# Altium PCB HealthSensors.PcbDoc (continued)
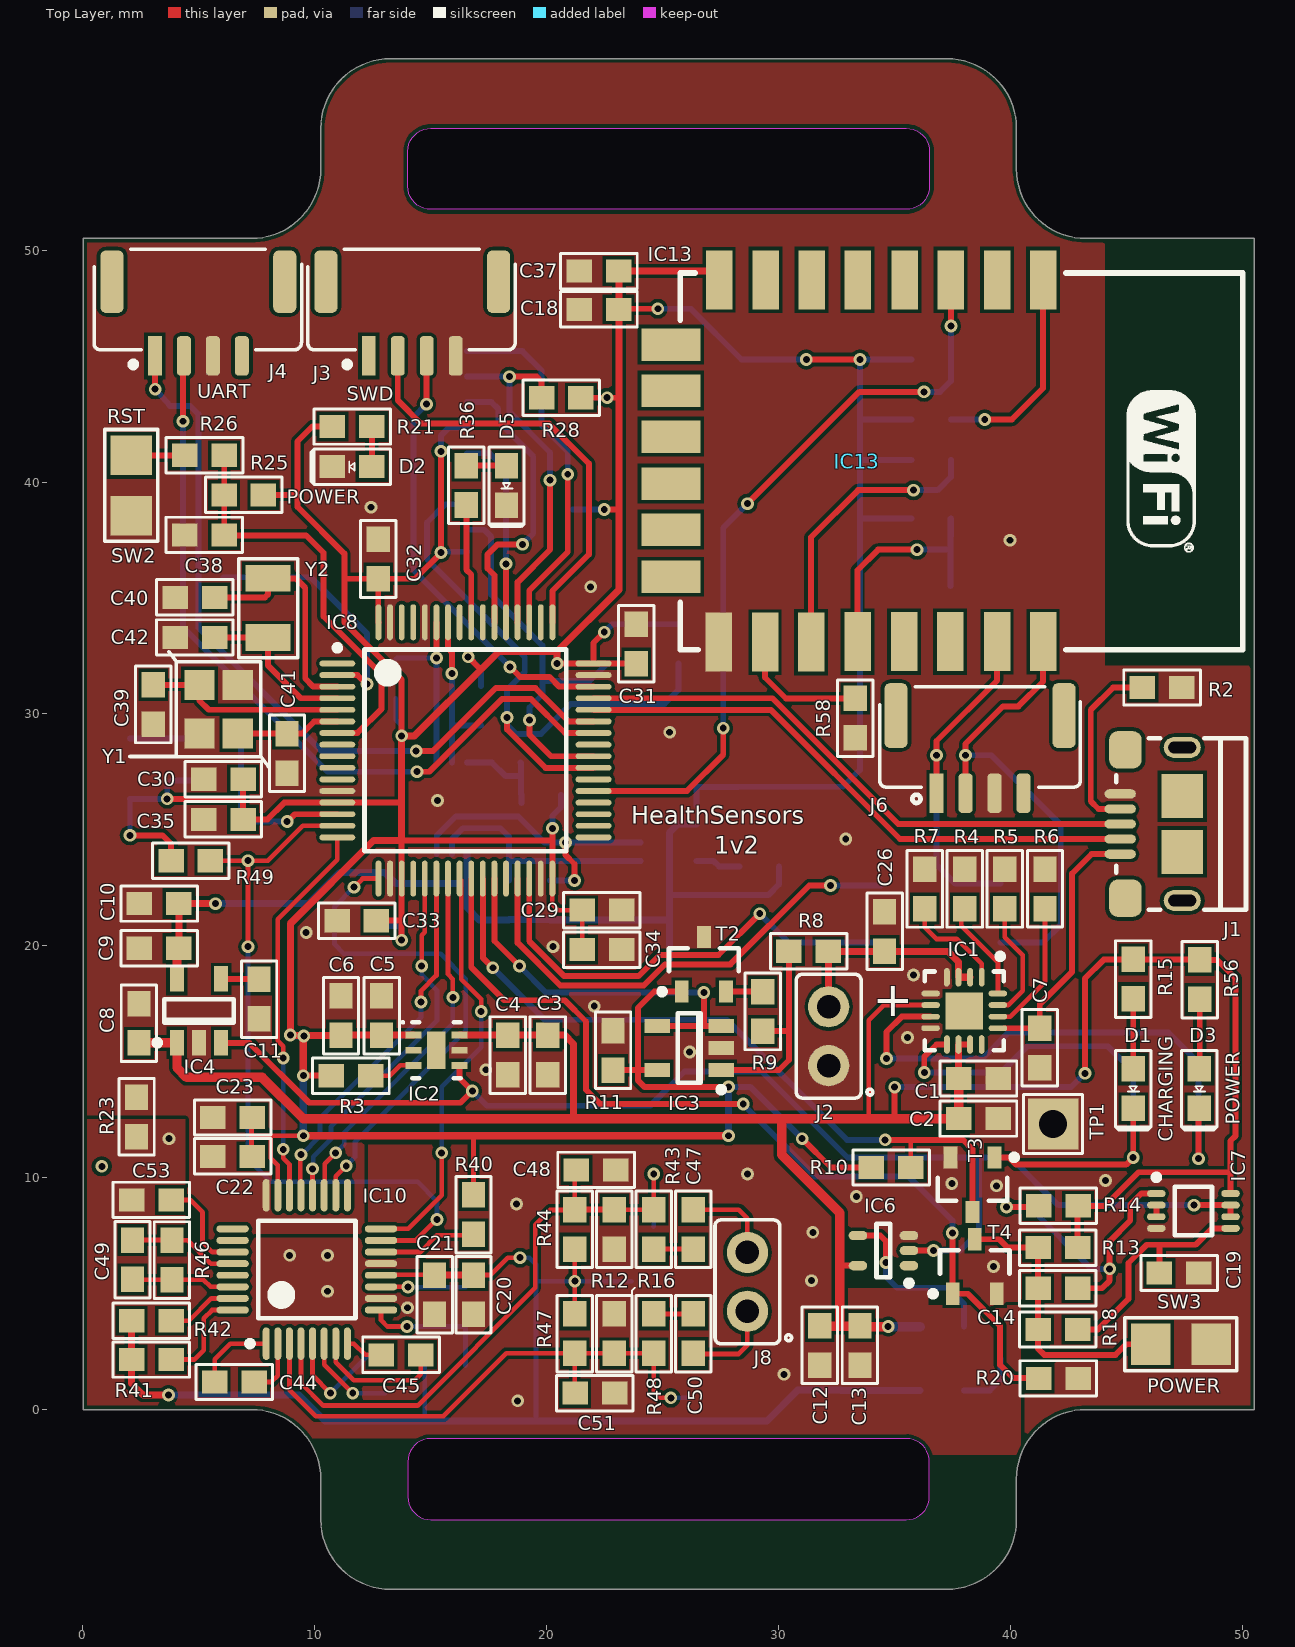
[diagram p0: Top Layer view]
## Nets (pads, with @x,y where several pads share a name; then routed paths per layer and width w, separated by ;. In a path a pad name is that pad's centre, name@x,y a point inside that pad or via, vN(x,y) a via of type N, cw(c..) or ccw(c..) an arc to the next point about the centre after c; other vN are vias at no path point)
AGND: C12.1 C13.1 C15.1 C16.1 C17.1 C20.1 C21.1 C48.1 C51.1 C52.1 C53.1 C54.1 C55.1 D8.1 D9.1 IC5.2 IC10.10 IC10.13 R12.2 R16.2 R23.1
  other v1: 18.745,0.381 30.226,1.524 13.995,4.394 10.541,5.105 31.42,5.563 8.915,6.655 10.541,6.655 31.471,7.645 18.694,8.865 28.651,10.16 3.708,11.684
AVCC: C16.2 C17.2 C20.2 C21.2 D8.2 D9.2 IC5.5 IC10.12 R1.1 R38.1 R41.2 R42.2 R44.1 R47.1 | length 61.7
  Top Layer w0.203: IC10.12 12.869,5.812 C21.2@15.256,5.812 ; C20.2 17.563,5.803 18.313,6.553 v1(18.847,6.553) ; R47.1 v1(21.209,5.537) R44.1
  Top Layer w0.305: R42.2 R41.2 2.096,1.13 2.591,0.635 v1(3.683,0.635) ; C21.2 C20.2
  Bottom Layer w0.203: 14.732,-0.483 R1.1 R38.1 ; v1(18.847,6.553) 19.253,6.553 19.533,6.274 19.533,5.537 ; 19.558,-0.483 19.533,-0.457 19.533,5.537 ; D8.2 v1(21.209,5.537) 19.533,5.537 ; C17.2 C17.2@32.685,0.831
  Bottom Layer w0.305: v1(3.683,0.635) 9.322,0.635 10.439,-0.483 14.732,-0.483 19.558,-0.483 29.489,-0.483 30.824,0.852 C17.2 ; C17.2@32.685,0.831 IC5.5
BAT_CHG: IC8.26 R10.1 T3.3 | length 31.8
  Top Layer w0.203: R10.1 35.699,11.619 35.712,11.633
  Top Layer w0.254: IC8.26 17.242,19.486 v1(17.673,19.055) ; v1(34.595,11.633) 35.712,11.633 37.948,11.633 38.354,11.227 T3.3
  Bottom Layer w0.254: v1(17.673,19.055) 19.914,16.815 27.762,16.815 32.944,11.633 v1(34.595,11.633)
BAT_LVL: IC3.3 IC3.4 IC8.27 | length 16.8
  Top Layer w0.254: IC8.27 17.742,20.209 v1(18.821,19.13) ; IC3.4 26.772,16.549 ; v1(26.772,17.983) 26.772,16.549 ; IC3.3 26.772,16.549
  Bottom Layer w0.254: v1(18.821,19.13) 19.968,17.983 v1(26.772,17.983)
DVCC: C9.2 C10.2 C27.2 C28.2 IC4.5 IC9.11 IC11.2 R51.2 R52.2 R53.2 | length 40.5
  Top Layer w0.254: C9.2@4.054,19.811 C9.2 ; C10.2@4.134,21.819 C10.2
  Top Layer w0.305: C9.2 4.134,21.819 v1(5.715,21.819)
  Top Layer w0.381: IC4.5 C9.2@4.054,19.811
  Bottom Layer w0.254: R53.2 R53.2@18.376,21.133 ; C28.2@25.275,21.121 C28.2 ; 25.286,22.2 29.566,22.2 30.009,22.643 R51.2
  Bottom Layer w0.305: v1(5.715,21.819) 9.728,21.819 11.074,23.165 13.005,23.165 13.487,22.682 16.535,22.682 ; IC11.2 16.556,21.646 17.081,21.121 R53.2 ; R53.2@18.376,21.133 R52.2@20.505,21.133 ; R52.2 C28.2@25.275,21.121 ; C27.2 C28.2 25.286,22.2 25.286,24.88 25.66,25.254 IC9.11
GND: C1.1 C2.1 C3.1 C4.1 C5.1 C6.1 C7.1 C8.1 C9.1 C10.1 C11.1 C18.1 C19.1 C22.1 C23.1 C24.1 C25.1 C26.1 C27.1 C28.1 C29.1 C30.1 C31.1 C32.1 C33.1 C34.1 C35.1 C37.1 C38.1 C39.1 C40.1 C41.1 C42.1 C43.1 C59.1 D2.2 D5.2 IC1.4 IC1.5 IC1.8 IC2.5 IC3.2 IC4.2 IC6.3 IC7.4 IC8.12 IC8.18 IC8.31 IC8.47 IC8.60 IC8.63 IC9.4 IC9.12 IC10.24 IC11.1 IC13.15 J1.5 J2.1 J3.4 J4.3 J5.6 J5.S J6.3 J7.1 R2.1 R4.1 R5.1 R6.1 R7.1 R11.1 R20.1 R23.2 R27.1 R58.1 SW2.2 SW3.2 T2.3 T3.2 T4.2 TP1.1 Y1.2 Y1.4
  other v1: 39.268,6.172 33.35,9.195 39.395,9.652 37.465,9.754 44.094,9.881 17.374,14.656 26.162,15.418 35.56,16.053 22.047,17.399 35.814,18.745 20.269,19.964 9.627,20.574 32.893,24.613 15.291,26.264 25.298,29.21 21.895,35.484 39.98,37.49 12.421,38.913
NetC1_2: C1.2 C2.2 C3.2 C4.2 C8.2 C12.2 C13.2 IC1.6 IC1.10 IC1.11 IC2.6 IC4.1 IC5.1 IC6.5 IC7.8 R13.2 R14.2 R15.1 R56.2 | length 111.1
  Top Layer w0.203: 14.254,12.551 14.274,12.571 ; 33.884,12.551 33.884,16.789 34.54,17.446 IC1.6
  Top Layer w0.254: IC4.1@4.045,15.812 IC4.1 ; 13.216,12.483 13.284,12.551 ; 28.401,12.53 28.423,12.551 ; 32.639,6.198 32.649,6.208 IC6.5 ; C13.2@33.668,3.593 C13.2@33.68,3.581 ; v1(35.001,13.907) 35.001,12.577 35.027,12.551 ; C1.2@37.754,14.29 C1.2 ; IC1.10 IC1.11 ; R13.2 42.887,8.763 R14.2 44.069,8.788 45.517,10.236 49.487,10.236 ; v1(43.205,14.503) 43.205,18.593 44.018,19.406 48.145,19.406 R56.2 48.908,19.392 49.708,18.593 49.708,11.811 49.487,11.59 49.487,10.236 ; IC7.8 49.487,10.236
  Top Layer w0.305: IC2.6 20.784,16.148 21.158,15.773 21.158,12.551 ; C1.2@37.754,14.29 IC1.10
  Top Layer w0.406: C8.2 IC4.1@4.045,15.812 ; IC4.1 4.054,14.742 4.47,14.326 7.722,14.326 9.496,12.551 13.284,12.551 14.254,12.551 21.158,12.551 28.423,12.551 30.124,12.551 ; C12.2@31.826,3.593 C13.2@33.668,3.593 ; 32.639,3.607 32.639,6.198 32.639,8.484 30.124,10.998 30.124,12.551 ; C13.2@33.68,3.581 v1(34.722,3.581) ; 33.833,12.551 30.124,12.551 ; 33.884,12.551 35.027,12.551 C2.2 C1.2
  Bottom Layer w0.254: v1(35.001,13.907) 42.609,13.907 v1(43.205,14.503)
  Bottom Layer w0.406: v1(34.722,3.581) IC5.1
NetC7_2: C7.2 IC1.13 J1.1 | length 11.2
  Top Layer w0.254: IC1.13@39.722,16.447 41.255,16.447 C7.2 41.257,17.479 42.654,18.876 42.654,23.118 43.49,23.954 J1.1
NetC11_2: C11.2 IC4.4 | length 1.6
  Top Layer w0.254: IC4.4 7.578,18.571 C11.2
NetC14_1: C14.1 R13.1 R18.2 SW3.1 T4.3 | length 12.4
  Top Layer w0.254: T4.3 39.516,7.347 39.878,6.985 R13.1 C14.1 R18.2 41.187,2.628 41.453,2.362 44.526,2.362 44.983,2.819 SW3.1
NetC14_2: C14.2 IC7.1 R14.1 | length 13.4
  Top Layer w0.254: v1(39.827,8.738) 41.162,8.738 R14.1 ; C14.2 43.942,5.232 44.272,5.563 v1(44.272,6.071) 44.272,7.264 45.161,8.153 45.161,8.839 45.64,9.318 IC7.1
  Bottom Layer w0.254: v1(39.827,8.738) 40.818,8.738 43.485,6.071 v1(44.272,6.071)
NetC15_2: C15.2 IC5.4 | length 2.7
  Bottom Layer w0.254: IC5.4 39.109,0.831 39.573,1.295 C15.2
NetC19_2: C19.2 IC7.5 R18.1 | length 10.5
  Top Layer w0.254: R18.1 43.764,3.454 45.085,4.775 45.085,6.325 45.872,7.112 46.419,7.112 ; C19.2 46.419,7.112 ; IC7.5 48.686,7.818 47.981,7.112 46.419,7.112
NetC26_2: C26.2 IC1.2 IC1.3 J2.2 R8.2 | length 9.4
  Top Layer w0.305: R8.2 R8.2@32.156,19.765 ; J2.2 R8.2@32.156,19.765 ; IC1.2 IC1.3 37.754,19.306 37.295,19.765 R8.2@32.156,19.765
NetC36_1: C36.1 IC8.14 R24.1 R27.2 | length 7.9
  Top Layer w0.254: v1(8.806,25.357) 9.126,25.676 IC8.14
  Bottom Layer w0.254: R24.1 C36.1 6.815,25.382 R27.2 v1(8.806,25.357)
NetC38_2: C38.2 IC8.7 R25.1 R26.1 | length 18.2
  Top Layer w0.254: R26.1 6.09,37.697 9.623,37.697 10.371,36.949 10.371,34.206 12.878,31.699 12.878,30.222 11.832,29.176 IC8.7
NetC39_2: C39.2 IC8.5 Y1.1 | length 8.8
  Top Layer w0.254: C39.2 3.034,31.254 Y1.1 5.024,30.573 5.418,30.179 IC8.5@10.967,30.179
NetC40_2: C40.2 IC8.3 Y2.2 | length 10.3
  Top Layer w0.254: C40.2 7.849,35.027 7.983,35.161 Y2.2 9.172,35.848 9.583,35.437 9.583,31.525 9.932,31.176 IC8.3
NetC41_2: C41.2 IC8.6 Y1.3 | length 4.5
  Top Layer w0.254: Y1.3 C41.2@8.796,29.154 ; C41.2 9.443,29.15 9.97,29.676 IC8.6
NetC42_2: C42.2 IC8.4 Y2.1 | length 7.1
  Top Layer w0.254: C42.2 7.982,33.299 Y2.1 7.983,32.084 9.391,30.676 IC8.4
NetC43_2: C43.2 IC8.15 IC10.15 R49.1 | length 33.1
  Top Layer w0.203: R49.1 v1(7.112,23.673) ; v1(7.112,19.964) v1(7.112,23.673) ; IC8.15 9.479,25.176 7.976,23.673 v1(7.112,23.673) ; IC10.15 14.356,7.295 v1(15.265,8.204)
  Bottom Layer w0.203: C43.2 v1(7.112,23.673) ; v1(7.112,19.964) 7.112,10.82 8.103,9.83 14.427,9.83 15.265,8.992 v1(15.265,8.204)
NetC44_1: C44.1 IC10.1 | length 3.5
  Top Layer w0.203: C44.1 5.678,2.173 6.35,2.845 IC10.1
NetC44_2: C44.2 IC10.2 | length 2.5
  Top Layer w0.203: C44.2 8.128,1.194 8.402,1.468 IC10.2
NetC45_1: C45.1 IC10.7 | length 5.7
  Top Layer w0.203: IC10.7 10.902,2.052 11.684,1.27 14.3,1.27 14.566,1.536 C45.1
NetC45_2: C45.2 IC10.8 | length 1.7
  Top Layer w0.203: IC10.8 11.684,2.845 12.167,2.362 C45.2
NetC47_1: C47.1 J8.2 | length 4
  Top Layer w0.203: C47.1 28.284,8.622 28.651,8.255 J8.2
NetC47_2: C47.2 R43.1 | length 1.7
  Top Layer w0.203: R43.1 C47.2
NetC48_2: C48.2 D8.3 IC10.4 R12.1 R43.2 R44.2 | length 28.1
  Top Layer w0.203: IC10.4 9.402,1.139 10.363,0.178 14.427,0.178 19.507,5.258 19.507,7.976 20.142,8.611 R44.2@21.311,8.611 ; R44.2 21.209,10.274 C48.2 ; R12.1 R43.2 v1(24.613,10.16)
  Top Layer w0.254: R44.2 R12.1
  Bottom Layer w0.203: D8.3 24.613,7.897 v1(24.613,10.16)
NetC49_1: C49.1 IC10.28 R46.1 | length 4.7
  Top Layer w0.203: C49.1 3.823,7.313 R46.1 4.51,7.301 5.516,6.295 IC10.28
NetC49_2: C49.2 IC10.30 R46.2 | length 4.5
  Top Layer w0.203: C49.2 2.146,5.601 R46.2 5.194,5.601 5.5,5.295 IC10.30
NetC50_1: C50.1 J8.1 | length 4
  Top Layer w0.203: C50.1@26.314,2.401 28.284,2.401 28.651,2.769 J8.1
NetC50_2: C50.2 R48.1 | length 1.7
  Top Layer w0.203: R48.1 C50.2
NetC51_2: C51.2 D9.3 IC10.3 R16.1 R47.2 R48.2 | length 24.3
  Top Layer w0.203: IC10.3 8.902,0.852 10.033,-0.279 15.545,-0.279 18.251,2.427 R47.2 ; C51.2 21.209,0.725 R47.2 ; v1(25.349,0.508) 24.892,0.508 24.613,0.787 R48.2 R47.2
  Bottom Layer w0.203: v1(25.349,0.508) 26.13,0.508 D9.3@26.155,0.533
NetC52_2: C52.2 IC10.11 | length 3.7
  Top Layer w0.203: IC10.11 14.009,5.295 v1(14.021,5.283)
  Bottom Layer w0.203: v1(14.021,5.283) C52.2
NetC53_2: C53.2 IC10.27 | length 4.3
  Top Layer w0.203: C53.2 4.623,9.042 5.156,8.509 5.156,7.214 5.575,6.795 IC10.27
NetC54_2: C54.2 C55.2 IC10.9 | length 5.9
  Top Layer w0.203: IC10.9 12.852,3.861 13.132,3.581 v1(13.97,3.581)
  Bottom Layer w0.203: v1(13.97,3.581) C54.2 C55.2
NetC59_2: C59.2 IC11.7 IC11.8 R32.1 | length 4.3
  Bottom Layer w0.254: IC11.7 IC11.8 17.634,27.908 18.212,27.33 18.886,27.33 ; C59.2@18.866,27.908 18.886,27.889 18.886,27.33 ; R32.1@18.911,26.162 R32.1 18.886,26.543 18.886,27.33
NetD1_1: D1.1 R15.2 | length 3
  Top Layer w0.254: D1.1 R15.2
NetD1_2: D1.2 IC1.9 T3.1 | length 23.9
  Top Layer w0.254: v1(36.279,14.533) 36.279,15.222 36.802,15.746 IC1.9 ; T3.1 39.922,10.878 40.234,10.566 44.983,10.566 v1(45.288,10.871) D1.2
  Bottom Layer w0.254: v1(36.279,14.533) 39.577,14.533 40.716,15.672 44.196,15.672 45.288,14.58 v1(45.288,10.871)
NetD2_1: D2.1 R21.1 | length 1.7
  Top Layer w0.254: D2.1 R21.1
NetD3_1: D3.1 R56.1 | length 3
  Top Layer w0.254: D3.1@48.133,14.515 D3.1@48.158,14.54 ; D3.1 48.158,14.718 R56.1
NetD3_2: D3.2 IC1.7 | length 23.9
  Top Layer w0.254: v1(34.646,15.138) 34.646,16.281 35.31,16.946 IC1.7 ; v1(48.108,10.82) 48.108,12.79 D3.2@48.133,12.815
  Bottom Layer w0.254: v1(34.646,15.138) 38.786,15.138 39.903,16.256 46.812,16.256 48.108,14.961 v1(48.108,10.82)
NetD5_1: D5.1 R36.1 | length 1.7
  Top Layer w0.254: R36.1 18.255,40.71 D5.1
NetIC1_1: IC1.1 R7.2 | length 4.5
  Top Layer w0.203: R7.2 36.297,20.803 36.801,20.298 37.676,20.298 38.754,19.22 IC1.1
NetIC1_14: IC1.14 R6.2 | length 5.8
  Top Layer w0.203: IC1.14 39.983,16.946 41.486,18.448 R6.2
NetIC1_15: IC1.15 R5.2 | length 5.2
  Top Layer w0.203: IC1.15 39.903,17.446 40.521,18.063 40.521,19.601 39.751,20.371 R5.2
NetIC1_16: IC1.16 R4.2 | length 4.3
  Top Layer w0.203: R4.2@37.879,21.607 37.879,20.857 39.454,19.282 IC1.16
NetIC2_3: IC2.3 R3.1 | length 2
  Top Layer w0.203: R3.1 13.233,14.402 13.679,14.848 IC2.3
NetIC2_4: IC2.4 IC4.3 IC6.2 IC7.6 IC7.7 | length 56.5
  Top Layer w0.254: IC4.3 5.944,15.811 7.176,15.811 9.754,13.233 16.281,13.233 v1(16.789,13.741) 16.238,14.293 IC2.4 ; IC6.2 v1(36.678,6.858) ; v1(47.908,8.818) IC7.7 IC7.6
  Bottom Layer w0.254: v1(16.789,13.741) 17.424,13.106 24.464,13.106 25.937,14.58 29.261,14.58 32.965,10.875 38.633,10.875 ; v1(36.678,6.858) 37.821,6.858 38.633,7.671 38.633,10.875 ; v1(47.908,8.818) 42.059,8.818 40.001,10.875 38.633,10.875
NetIC3_1: IC3.1 R8.1 R9.2 | length 8.9
  Top Layer w0.254: IC3.1 30.016,14.649 30.443,15.076 30.443,16.32 ; R9.2 30.443,16.32 ; R8.1 30.443,16.32
NetIC5_3: IC5.3 IC6.4 | length 7.7
  Top Layer w0.254: IC6.4 34.381,7.508 34.62,7.269 v1(34.62,6.35)
  Bottom Layer w0.254: v1(34.62,6.35) 34.62,5.74 35.103,5.258 37.287,5.258 37.998,4.547 IC5.3
NetIC7_2: IC7.2 IC7.3 | length 0.5
  Top Layer w0.254: IC7.3 IC7.2
NetIC8_2: IC8.2 J5.10 | length 10.8
  Top Layer w0.254: IC8.2 11.834,31.676 12.217,31.293 v1(12.243,31.293)
  Bottom Layer w0.254: J5.10 9.827,35.893 12.243,33.477 v1(12.243,31.293)
NetIC8_16: IC8.16 IC10.22 | length 16.7
  Top Layer w0.203: v1(8.636,11.227) 8.636,10.846 8.902,10.58 IC10.22 ; v1(8.636,15.164) 8.636,15.672 8.401,15.906 8.401,21.152 10.967,23.718 IC8.16
  Bottom Layer w0.203: v1(8.636,11.227) v1(8.636,15.164)
NetIC8_17: IC8.17 IC10.18 R39.1 | length 22
  Top Layer w0.203: IC10.18 10.902,10.064 v1(11.354,10.516) ; v1(11.684,22.53) 12.056,22.901 IC8.17
  Bottom Layer w0.203: v1(11.354,10.516) 11.735,10.897 11.735,11.557 16.51,16.332 16.51,18.567 15.418,19.66 11.252,19.66 10.848,20.064 R39.1 10.848,21.694 v1(11.684,22.53)
NetIC8_21: IC8.21 IC10.20 | length 16.2
  Top Layer w0.203: IC10.20 v1(9.902,10.385) ; v1(14.605,19.126) 14.605,20.447 14.742,20.584 IC8.21
  Bottom Layer w0.203: v1(9.902,10.385) 9.931,10.414 9.931,10.896 10.693,11.659 10.693,12.192 15.265,16.764 15.265,18.085 14.605,18.745 v1(14.605,19.126)
NetIC8_22: IC8.22 IC10.21 | length 16.1
  Top Layer w0.203: IC10.21 9.373,9.274 9.373,10.965 v1(9.402,10.994) ; v1(14.58,17.577) 14.58,18.059 15.242,18.722 IC8.22
  Bottom Layer w0.203: v1(9.402,10.994) 9.431,10.994 10.219,11.782 10.219,12.555 14.58,16.916 v1(14.58,17.577)
NetIC8_23: IC8.23 IC10.19 | length 16
  Top Layer w0.203: IC10.19 10.431,9.274 10.431,10.604 10.428,10.606 v1(10.897,11.074) ; IC8.23 15.742,18.776 15.951,18.567 v1(15.951,17.78)
  Bottom Layer w0.203: v1(10.897,11.074) 11.265,11.443 11.265,11.951 15.951,16.637 v1(15.951,17.78)
NetIC8_24: IC8.24 IC10.16 | length 18
  Top Layer w0.203: IC10.16 14.018,7.795 15.469,9.246 v1(15.469,11.074) ; IC8.24 16.307,22.837 16.307,18.567 17.17,17.704 v1(17.17,17.17)
  Bottom Layer w0.203: v1(15.469,11.074) 15.469,13.919 17.17,15.621 v1(17.17,17.17)
NetIC8_29: IC8.29 J9.3 | length 21
  Top Layer w0.254: IC8.29 18.742,20.128 20.582,18.288 24.181,18.288 25.095,19.202 27.915,19.202 31.318,22.606 v1(32.233,22.606)
  Bottom Layer w0.254: v1(32.233,22.606) J9.3@34.417,22.606
NetIC8_30: IC8.30 J9.1 | length 20.2
  Top Layer w0.254: IC8.30 19.242,20.203 20.751,18.694 23.952,18.694 24.867,19.609 27.407,19.609 v1(29.185,21.387)
  Bottom Layer w0.254: v1(29.185,21.387) 30.429,20.142 J9.1@34.493,20.142
NetIC8_37: IC8.37 IC13.3 R22.1 | length 32.8
  Top Layer w0.254: IC8.37 26.041,26.676 27.61,28.245 v1(27.61,29.388) ; v1(28.651,39.065) 33.477,43.891 v1(36.271,43.891) ; IC13.3 37.426,48.706 v1(37.426,46.724)
  Bottom Layer w0.254: v1(27.61,29.388) 27.61,38.024 v1(28.651,39.065) ; v1(36.271,43.891) 36.957,43.891 37.426,44.36 R22.1 v1(37.426,46.724)
NetIC8_39: IC8.39 J5.7 R31.2 | length 27.2
  Top Layer w0.254: v1(18.288,29.845) 18.288,29.337 19.949,27.676 IC8.39
  Bottom Layer w0.254: J5.7 15.625,39.043 14.838,38.257 14.838,36.673 19.05,32.461 19.05,31.809 18.288,31.047 v1(18.288,29.845) 18.288,29.54 18.69,29.138 19.744,29.138 21.035,30.429 25.07,30.429 25.679,31.039 R31.2
NetIC8_40: IC8.40 J5.8 R30.2 | length 18.3
  Top Layer w0.254: v1(19.253,29.743) 19.253,29.108 20.185,28.176 IC8.40
  Bottom Layer w0.254: J5.8 17.302,37.943 17.602,37.643 17.602,35.154 19.812,32.944 19.812,31.42 ; v1(19.253,29.743) 19.253,30.277 19.812,30.836 19.812,31.42 ; R30.2 22.594,32.17 21.844,31.42 19.812,31.42
NetIC8_42: IC8.42 J4.2 | length 33.9
  Top Layer w0.254: J4.2@4.311,45.441 4.318,45.434 v1(4.318,42.621) ; v1(14.402,27.508) 14.935,27.508 18.063,30.636 19.326,30.636 20.785,29.176 IC8.42
  Bottom Layer w0.254: v1(4.318,42.621) 4.318,33.731 10.541,27.508 v1(14.402,27.508)
NetIC8_43: IC8.43 J4.1 | length 34
  Top Layer w0.254: v1(3.112,44.005) J4.1@3.112,45.466 ; v1(14.369,28.397) 15.088,28.397 17.805,31.115 19.507,31.115 20.946,29.676 IC8.43
  Bottom Layer w0.254: v1(3.112,44.005) 3.759,43.282 4.623,43.282 4.978,42.926 4.978,33.717 10.299,28.397 v1(14.369,28.397)
NetIC8_46: IC8.46 J3.3 | length 19.3
  Top Layer w0.254: v1(14.808,43.358) 14.808,45.425 J3.3 ; v1(18.415,32.029) 18.847,31.598 20.117,31.598 20.538,31.176 IC8.46
  Bottom Layer w0.254: v1(14.808,43.358) 14.249,42.799 14.249,36.195 v1(18.415,32.029)
NetIC8_49: IC8.49 J3.2 | length 18.8
  Top Layer w0.254: J3.2 13.574,43.526 14.58,42.52 20.091,42.52 21.819,40.792 21.819,36.881 20.242,35.304 IC8.49
NetIC8_51: IC8.51 J5.1 R29.2 | length 15.6
  Top Layer w0.254: IC8.51 19.242,35.32 20.904,36.982 v1(20.904,40.335)
  Bottom Layer w0.254: J5.1 18.949,45.643 19.775,44.818 R29.2 19.775,42.455 20.904,41.326 v1(20.904,40.335)
NetIC8_52: IC8.52 J5.2 R28.2 | length 15.9
  Top Layer w0.254: v1(18.39,44.543) 19.566,44.543 19.775,44.335 R28.2 ; IC8.52 18.742,35.684 20.142,37.084 v1(20.142,40.081)
  Bottom Layer w0.254: J5.2 v1(18.39,44.543) 18.39,43.028 20.142,41.275 v1(20.142,40.081)
NetIC8_53: IC8.53 J5.5 | length 8.6
  Top Layer w0.254: v1(18.237,36.474) 18.237,33.956 IC8.53
  Bottom Layer w0.254: J5.5 17.532,41.243 18.237,40.538 v1(18.237,36.474)
NetIC8_54: IC8.54 J5.3 R33.2 | length 12.9
  Top Layer w0.254: IC8.54 17.742,35.979 17.45,36.271 17.45,36.881 17.882,37.313 v1(18.948,37.313)
  Bottom Layer w0.254: J5.3 17.618,43.443 17.907,43.155 17.907,42.621 19.419,41.109 R33.2 19.419,37.783 v1(18.948,37.313)
NetIC8_56: IC8.56 R36.2 | length 5.1
  Top Layer w0.254: R36.2 16.532,36.224 16.742,36.014 IC8.56
NetIC8_58: IC8.58 IC11.6 R54.1 | length 7.4
  Top Layer w0.254: IC8.58 15.742,32.823 15.906,32.659 v1(15.906,31.745)
  Bottom Layer w0.254: IC11.6 15.906,29.515 ; v1(15.906,31.745) 15.906,29.515 ; R54.1 15.917,29.503 15.906,29.515
NetIC8_59: IC8.59 IC11.5 R35.1 | length 7.8
  Top Layer w0.254: v1(15.24,32.41) 15.24,33.949 IC8.59
  Bottom Layer w0.203: R35.1 13.527,32.41 v1(15.24,32.41) ; IC11.5@15.24,27.924 IC11.5
  Bottom Layer w0.254: IC11.5@15.24,27.924 v1(15.24,32.41)
NetIC9_2: IC9.2 IC11.3 R53.1 | length 11
  Bottom Layer w0.254: IC11.3 15.906,24.592 16.383,25.07 18.009,25.07 18.364,24.714 18.364,23.698 ; R53.1 18.364,23.698 ; IC9.2 18.408,23.654 18.364,23.698
NetIC9_3: IC9.3 IC11.4 R52.1 | length 13.3
  Top Layer w0.254: v1(20.803,24.46) 20.803,23.927 21.196,23.533 v1(21.196,22.822)
  Bottom Layer w0.254: IC11.4 15.256,24.755 16.078,25.578 18.771,25.578 19.894,24.454 v1@20.828,24.454 ; R52.1 20.143,22.822 v1(21.196,22.822) ; v1(20.803,24.46) 20.822,24.46 v1@20.828,24.454 ; IC9.3 v1@20.828,24.454
NetIC9_13: IC9.13 R51.1 | length 2
  Bottom Layer w0.254: IC9.13 27.197,23.654 27.432,23.419 R51.1
NetIC10_5: IC10.5 R38.2 | length 5.5
  Top Layer w0.203: IC10.5 9.902,1.477 v1(10.668,0.711)
  Bottom Layer w0.203: v1(10.668,0.711) 12.319,2.362 R38.2 R38.2@13.069,2.362
NetIC10_6: IC10.6 R1.2 | length 4
  Top Layer w0.203: IC10.6 10.402,1.942 v1(11.633,0.711)
  Bottom Layer w0.203: v1(11.633,0.711) R1.2
NetIC10_14: IC10.14 R40.1 | length 4.3
  Top Layer w0.203: IC10.14 14.542,6.795 15.265,7.518 R40.1@16.879,7.518
NetIC10_31: IC10.31 R42.1 | length 3.1
  Top Layer w0.203: R42.1 4.572,3.835 5.532,4.795 IC10.31
NetIC10_32: IC10.32 R41.1 | length 4.3
  Top Layer w0.203: R41.1 4.801,2.159 5.207,2.565 5.207,3.937 5.565,4.295 IC10.32
NetIC13_1: IC13.1 R37.1 | length 9.2
  Top Layer w0.254: v1(38.887,42.697) 40.056,42.697 41.402,44.044 IC13.1
  Bottom Layer w0.254: R37.1 v1(38.887,42.697)
NetIC13_16: IC13.16 R58.2 | length 5.8
  Top Layer w0.254: IC13.16 29.413,31.572 30.316,30.67 R58.2
NetIC13_17: IC13.17 R34.1 | length 12.4
  Top Layer w0.254: IC13.17 31.394,37.617 33.426,39.649 v1(35.814,39.649)
  Bottom Layer w0.254: v1(35.814,39.649) 36.855,39.649 37.426,40.22 R34.1
NetIC13_18: IC13.18 J7.2 R57.1 | length 11.1
  Top Layer w0.254: IC13.18 33.401,36.195 34.29,37.084 v1(35.966,37.084)
  Bottom Layer w0.254: v1(35.966,37.084) 37.389,37.084 37.414,37.059 ; J7.2 37.414,37.059 ; 37.426,37.68 R57.1 37.414,38.419 37.414,37.059
NetIC13_21: IC13.21 J6.1 J9.4 | length 15.4
  Top Layer w0.254: J6.1 v1(36.809,28.219) 36.809,28.834 39.421,31.445 IC13.21
  Bottom Layer w0.254: v1(36.809,28.219) 36.809,23.49 37.617,22.682 J9.4@39.573,22.682
NetIC13_22: IC13.22 J6.2 J9.2 | length 20.9
  Top Layer w0.254: J6.2 v1(38.059,28.219) 38.059,28.712 39.675,30.328 40.335,30.328 41.402,31.394 IC13.22
  Bottom Layer w0.254: v1(38.059,28.219) 39.167,28.219 42.164,25.222 42.164,20.904 41.402,20.142 J9.2@39.573,20.142
NetJ1_4: J1.4 R2.2 | length 8
  Top Layer w0.254: J1.4 43.794,25.904 43.459,26.238 43.459,30.175 44.425,31.14 R2.2
NetR9_1: R9.1 T2.2 | length 1.6
  Top Layer w0.254: T2.2 29.304,18.027 R9.1
NetR24_2: R24.2 SW1.2 | length 3.1
  Bottom Layer w0.254: SW1.2 5.112,28.935 R24.2
NetR26_2: R26.2 SW2.1 | length 2.3
  Top Layer w0.254: SW2.1 R26.2 R26.2@4.385,41.156
PWR_SD: IC8.25 R20.2 T4.1 | length 40.2
  Top Layer w0.254: IC8.25 16.742,19.072 18.161,17.653 20.777,17.653 21.692,16.739 21.692,13.792 22.301,13.183 v1(28.473,13.183) ; v1(37.49,7.62) 37.49,5.033 37.516,5.007 T4.1 38.157,4.997 39.548,3.607 39.548,1.93 40.107,1.372 41.187,1.372 R20.2
  Bottom Layer w0.254: v1(28.473,13.183) 28.473,13.157 31.572,10.058 35.585,10.058 37.49,8.153 v1(37.49,7.62)
USB_DM: IC8.44 J1.2 | length 25
  Top Layer w0.254: IC8.44 29.66,30.176 35.232,24.604 J1.2
USB_DP: IC8.45 J1.3 | length 25
  Top Layer w0.254: IC8.45 29.734,30.676 35.157,25.254 J1.3
VCC: C5.2 C6.2 C18.2 C22.2 C23.2 C24.2 C25.2 C29.2 C30.2 C31.2 C32.2 C33.2 C34.2 C35.2 C36.2 C37.2 IC2.1 IC3.5 IC8.13 IC8.19 IC8.32 IC8.48 IC8.64 IC9.9 IC9.10 IC10.23 IC13.8 J5.4 J5.9 R3.2 R10.2 R11.2 R21.2 R22.2 R25.2 R28.1 R29.1 R30.1 R31.1 R32.2 R33.1 R34.2 R35.2 R37.2 R39.2 R40.2 R49.2 R54.2 R57.2 SW1.1 T2.1 | length 243.3
  Top Layer w0.203: C22.2 7.264,10.959 7.264,11.811 ; C23.2 7.264,12.561 7.264,11.811 ; 8.103,11.836 8.103,11.811 ; IC10.23 8.402,10.546 8.103,10.846 8.103,11.811 ; v1(9.5,11.811) 8.103,11.811 ; v1(9.525,16.117) v1@9.55,16.142 ; C6.2@11.151,15.939 C6.2@11.156,15.945 ; 16.815,11.811 16.84,11.786 R40.2 ; IC8.32 20.242,21.795 20.498,21.539 C29.2 C34.2 ; 7.264,11.811 8.103,11.811
  Top Layer w0.254: v1(2.032,24.765) 3.429,24.765 3.798,24.396 R49.2 ; v1(3.632,26.34) 6.903,26.34 ; C30.2 6.903,26.34 ; R25.2 9.254,39.446 ; 8.915,18.139 8.941,18.139 ; v1(9.5,14.402) R3.2 ; R21.2 9.893,42.393 9.254,41.754 9.254,39.446 ; C33.2 13.741,21.086 ; IC8.64 12.733,33.961 C32.2 ; v1@13.742,20.219 v1(13.742,20.243) IC8.19 13.742,24.536 20.239,24.536 ; 13.742,26.176 IC8.13 8.68,26.176 7.958,25.455 C35.2 6.903,26.34 ; 13.742,27.076 13.768,27.102 ; v1@13.742,29.083 13.742,31.481 11.269,33.954 11.269,35.831 ; v1(15.443,41.326) v1(15.443,36.957) 14.317,35.831 C32.2 ; v1(16.612,32.461) 17.094,31.979 17.221,31.979 ; IC8.32@20.239,22.25 20.239,24.536 ; v1(20.244,25.07) 20.244,24.541 20.239,24.536 ; v1(20.447,32.176) IC8.48 ; R28.1 v1(22.606,43.637) 23.114,43.637 ; v1(22.479,33.528) 22.017,33.066 IC8.48 ; v1(22.479,38.811) 23.114,38.811 ; R11.2 22.866,14.649 23.927,14.649 ; C18.2@23.317,47.473 v1(24.79,47.473) ; C31.2 23.855,32.176 IC8.48 ; IC3.5@24.646,14.649 23.927,14.649 ; T2.1@25.814,18.031 24.635,18.031 23.927,17.323 23.927,14.649 ; v1(27.838,13.919) 24.206,13.919 23.927,14.199 23.927,14.649 ; v1(31.013,11.684) 32.258,10.439 R10.2 ; v1(31.191,45.288) v1(33.503,45.288) ; 9.254,39.446 9.254,38.93 11.269,36.914 11.269,35.831 ; 11.269,35.831 C32.2
  Top Layer w0.305: v1(9.5,11.811) 16.815,11.811 v1(27.838,11.811) ; v1(9.5,14.402) 9.5,16.092 v1(9.525,16.117) ; C6.2 9.55,16.142 8.953,16.142 v1(8.941,16.154) 8.941,18.139 8.941,20.955 12.522,24.536 13.742,24.536 13.742,26.176 13.742,27.076 v1(13.742,29.058) 14.3,29.058 17.221,31.979 17.932,32.69 20.447,32.69 ; C6.2@11.131,16.148 IC2.1 ; v1(20.447,32.176) 20.447,32.69 ; C37.2@22.897,49.098 27.051,49.098 IC13.8 ; C37.2@23.114,48.882 23.114,43.637 23.114,38.811 23.114,35.357 20.447,32.69
  Bottom Layer w0.203: v1(2.032,24.765) SW1.1 ; v1(8.941,16.154) v1@8.978,16.117 ; R35.2 13.487,29.743 13.742,29.489 v1(13.742,29.058)
  Bottom Layer w0.254: SW1.1 3.628,26.335 v1(3.632,26.34) 3.632,26.924 3.843,27.135 C36.2 ; R39.2 13.589,20.853 13.742,20.7 v1(13.742,20.243) ; v1(15.443,36.957) 15.48,36.993 J5.9 ; v1(15.443,41.326) 15.443,42.012 15.775,42.343 J5.4 ; v1(16.612,32.461) 17.17,31.902 R54.2 ; v1(20.244,25.07) 20.244,25.595 20.239,25.599 20.611,25.971 R32.2 ; R33.1 v1(22.479,38.811) ; R29.1 v1(22.606,43.637) ; v1(22.479,33.528) 22.821,33.87 R30.1 R31.1 ; v1(24.79,47.473) 26.213,47.473 28.397,45.288 v1(31.191,45.288) ; IC9.10 IC9.9 28.239,26.854 C25.2 C24.2 32.778,26.86 33.503,27.584 33.503,38.43 ; v1(27.838,13.919) 28.778,13.919 v1(31.013,11.684) ; R57.2 33.503,38.43 ; R34.2 33.528,40.945 33.503,40.97 ; R37.2 33.528,42.697 33.503,42.672 ; R22.2 v1(33.503,45.288) 33.503,42.672 ; 33.503,38.43 33.503,40.97 ; 33.503,40.97 33.503,42.672
  Bottom Layer w0.305: v1@8.978,16.117 v1(9.525,16.117) ; v1(9.5,11.811) v1(9.5,14.402) ; v1(27.838,11.811) v1(27.838,13.919)
pads on no net: IC1.12 IC1.17 IC2.2 IC2.7 IC6.1 IC8.1 IC8.8 IC8.9 IC8.10 IC8.11 IC8.20 IC8.28 IC8.33 IC8.34 IC8.35 IC8.36 IC8.38 IC8.41 IC8.50 IC8.55 IC8.57 IC8.61 IC8.62 IC9.1 IC9.5 IC9.6 IC9.7 IC9.8 IC9.14 IC10.17 IC10.25 IC10.26 IC10.29 IC13.2 IC13.4 IC13.5 IC13.6 IC13.7 IC13.9 IC13.10 IC13.11 IC13.12 IC13.13 IC13.14 IC13.19 IC13.20 J1.S J3.1 J3.M1 J3.M2 J4.4 J4.M1 J4.M2 J6.4 J6.5 J6.6
copper on no net:
  other v1: 0.813,10.49

## Polygon pours and split planes (outlines as drawn)
GND on Top Layer "GND - top layer" (solid, remove dead copper, pour order 4): 0.004,0.004 7.254,0.004 cw(c7.254,-2.996) 10.254,-2.996 10.254,-4.746 ccw(c13.254,-4.746) 13.254,-7.746 37.254,-7.746 ccw(c37.254,-4.746) 40.254,-4.746 40.254,-2.996 cw(c43.254,-2.996) 43.254,0.004 50.504,0.004 50.504,50.504 43.254,50.504 cw(c43.254,53.504) 40.254,53.504 40.254,55.254 ccw(c37.254,55.254) 37.254,58.254 13.254,58.254 ccw(c13.254,55.254) 10.254,55.254 10.254,53.504 cw(c7.254,53.504) 7.254,50.504 0.004,50.504
AGND on Top Layer "AGND - top layer" (solid, pour order 2): 0,0 0,12.522 4.42,12.522 4.42,7.442 4.445,7.417 12.294,7.417 12.294,11.43 29.82,11.43 29.82,10.77 32.309,8.28 32.309,5.232 36.449,5.232 36.449,4.496 40.437,4.496 40.437,-1.956 36.467,-1.956 36.39,-1.879 36.39,-1.718 35.918,-1.246 14.906,-1.246 14.904,-1.245 9.754,-1.245 8.941,-0.432 8.661,-0.432 8.357,-0.127 7.442,-0.127 7.315,0
GND on Bottom Layer "GND - bottom layer" (solid, remove dead copper, pour order 5): 0.004,0.004 7.254,0.004 cw(c7.254,-2.996) 10.254,-2.996 10.254,-4.746 ccw(c13.254,-4.746) 13.254,-7.746 37.254,-7.746 ccw(c37.254,-4.746) 40.254,-4.746 40.254,-2.996 cw(c43.254,-2.996) 43.254,0.004 50.504,0.004 50.504,50.504 43.254,50.504 cw(c43.254,53.504) 40.254,53.504 40.254,55.254 ccw(c37.254,55.254) 37.254,58.254 13.254,58.254 ccw(c13.254,55.254) 10.254,55.254 10.254,53.504 cw(c7.254,53.504) 7.254,50.504 0.004,50.504
AGND on Bottom Layer "AGND - bottom layer" (solid, pour order 0): 0,0 0,12.522 4.42,12.522 4.42,7.442 4.445,7.417 12.294,7.417 12.294,11.43 29.82,11.43 29.82,10.77 32.309,8.28 32.309,5.232 36.449,5.232 36.449,4.496 40.437,4.496 40.437,-1.956 36.467,-1.956 36.39,-1.879 36.39,-1.718 35.918,-1.246 14.906,-1.246 14.904,-1.245 9.754,-1.245 8.941,-0.432 8.661,-0.432 8.357,-0.127 7.442,-0.127 7.315,0
no net on Bottom Overlay (solid): 9.728,-1.295
no net on Bottom Overlay (solid): 18.161,-6.782

## Other copper
Top Layer:
  pour cut-out: 50.267,32.08 44.069,32.08 44.069,50.267 50.267,50.267
Bottom Layer:
  pour cut-out: 50.267,32.08 44.069,32.08 44.069,50.267 50.267,50.267

## Silkscreen, mask and mechanical layers (free items; w line width, h text height)
Top Overlay:
  lines w0.076: 23.673,4.928 23.673,5.131 23.8,5.258
  lines w0.178: 2.04,28.172 3.988,28.169
  text "UART" at 4.928,43.612 h0.61
  text "SWD" at 11.379,43.51 h0.61
  text "RST" at 1.041,42.545 h0.61
  text "POWER" at 8.788,39.065 h0.61
  text "HealthSensors" at 23.647,25.273 h0.76
  text "1v2" at 27.229,23.978 h0.76
  text "+" at 34.061,16.967 h1.52
  text "POWER" at 49.886,12.294 h0.61 r90
  text "CHARGING" at 46.99,11.557 h0.61 r90
  text "POWER" at 45.898,0.737 h0.61
Bottom Overlay:
  text "BOOT" at 3.175,30.302 h0.61
Mechanical 1:
  lines w0.254: 0.004,50.504 7.254,50.504 ccw(c7.254,53.504) 10.254,53.504 10.254,55.254 cw(c13.254,55.254) 13.254,58.254 37.254,58.254 cw(c37.254,55.254) 40.254,55.254 40.254,53.504 ccw(c43.254,53.504) 43.254,50.504 50.504,50.504 50.504,0.004 43.254,0.004 ccw(c43.254,-2.996) 40.254,-2.996 ; 0.004,50.758 0.004,0.004 7.254,0.004 cw(c7.254,-2.996) 10.254,-2.996 10.254,-4.746 ccw(c13.254,-4.746) 13.254,-7.746 37.254,-7.746 ccw(c37.254,-4.746) 40.254,-4.746 40.254,-2.996 ; 40.254,-2.996 40.254,-2.996 ; 14.004,-3.746 ccw(c15.004,-3.746) 15.004,-4.746 35.504,-4.746 ccw(c35.504,-3.746) 36.504,-3.746 36.504,-2.246 ccw(c35.504,-2.246) 35.504,-1.246 15.004,-1.246 ccw(c15.004,-2.246) 14.004,-2.246 14.004,-3.746 ; 14.004,52.754 ccw(c15.004,52.754) 15.004,51.754 35.504,51.754 ccw(c35.504,52.754) 36.504,52.754 36.504,54.254 ccw(c35.504,54.254) 35.504,55.254 15.004,55.254 ccw(c15.004,54.254) 14.004,54.254 14.004,52.754

## Text inside footprints (layer, text, board x,y; h text height)
IC13: Mechanical 13 "CUTOUT POLYGON" at 48.885,48.716 h0.25 r270; Mechanical 13 "ANTENNA AREA" at 49.393,48.716 h0.25 r270